# Altium PCB NIXIEClock_PCB_V3.2.PcbDoc (part 2 of 3) (continued)
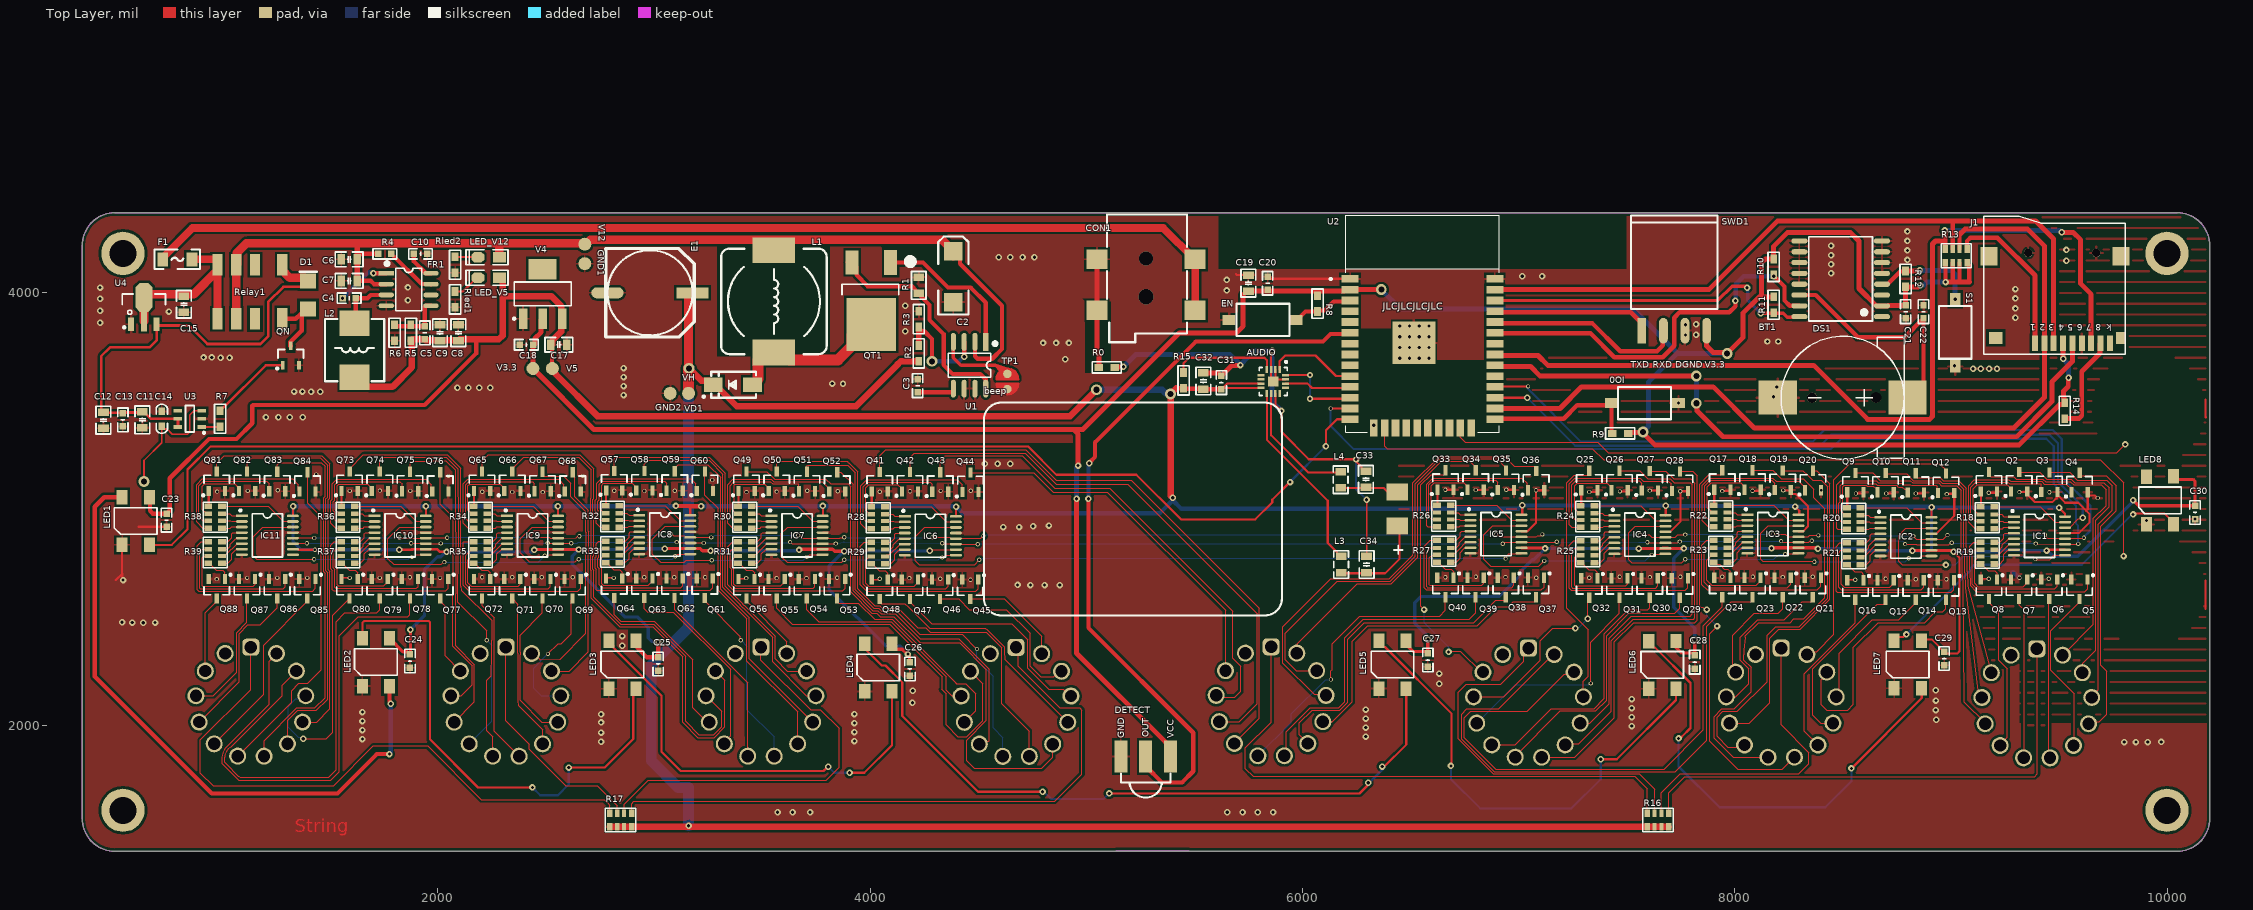
[diagram p0: Top Layer view]
## Nets (pads, with @x,y where several pads share a name; then routed paths per layer and width w, separated by ;. In a path a pad name is that pad's centre, name@x,y a point inside that pad or via, vN(x,y) a via of type N, cw(c..) or ccw(c..) an arc to the next point about the centre after c; other vN are vias at no path point) (continued)
NetQ75_1: Q75.1 R36.3 | length 555.7
  Top Layer w5: R36.3@1552.85,2946.24 1527.63,2946.24 1523,2950.88 1523,2984.15 1515.63,2991.51 1515.63,3033.26 1523,3040.62 1523,3112.73 1536.72,3126.45 1824.82,3126.45 1834.33,3116.95 Q75.1@1834.33,3081.95
NetQ76_1: Q76.1 R36.4 | length 754.1
  Top Layer w5: R36.4@1552.85,2911.6 1527.63,2911.6 1504.63,2934.6 1504.63,3037.81 1512,3045.18 1512,3117.29 1532.16,3137.45 1945.54,3137.45 1969.88,3113.12 1969.88,3084.86 Q76.1@1974.17,3080.57
NetQ77_1: Q77.1 R37.1 | length 850.7
  Top Layer w5: R37.1@1552.85,2848.99 1520.5,2848.99 1504.63,2833.13 1504.63,2722.78 1512,2715.41 1512,2626.7 1517.65,2621.05 2036.04,2621.05 2048.13,2633.13 Q77.1@2048.13,2676.05
NetQ78_1: Q78.1 R37.2 | length 635.2
  Top Layer w5: R37.2@1552.85,2814.35 1527.65,2814.35 1515.63,2802.33 1515.63,2727.33 1523,2719.97 1523,2638.63 1528.7,2632.92 1900.39,2632.92 1908.51,2641.05 Q78.1@1908.51,2676.05
NetQ79_1: Q79.1 R37.3 | length 410.4
  Top Layer w5: 1531.61,2769.5 1526.63,2764.52 1526.63,2731.89 1534,2724.52 1534,2649.63 1539.7,2643.92 1750.56,2643.92 1768.9,2662.27 Q79.1@1768.9,2676.05 ; 1531.63,2769.5 1544.98,2782.85 R37.3@1552.85,2782.85
NetQ80_1: Q80.1 R37.4 | length 123.3
  Top Layer w5: R37.4@1552.85,2748.21 1557.77,2748.21 1589.94,2716.05 1618.19,2716.05 1629.29,2704.95 Q80.1@1629.29,2676.05
NetQ81_1: Q81.1 R38.1 | length 71.7
  Top Layer w10: R38.1@938.47,3012.38 940.25,3014.17 Q81.1@940.25,3083.33
NetQ82_1: Q82.1 R38.2 | length 340.9
  Top Layer w5: R38.2@938.47,2977.74 930.59,2977.74 918.74,2989.59 916.61,2989.59 910.34,2995.86 910.34,3105.25 921.14,3116.05 1061.16,3116.05 1080.1,3097.11 Q82.1@1080.1,3083.33
NetQ83_1: Q83.1 R38.3 | length 567.9
  Top Layer w5: R38.3@938.47,2946.24 912.3,2946.24 894.82,2963.72 894.82,3107.61 915.18,3127.96 1208.93,3127.96 1219.94,3116.95 Q83.1@1219.94,3081.95
NetQ84_1: Q84.1 R38.4 | length 765.8
  Top Layer w5: R38.4@938.47,2911.6 913.25,2911.6 883.82,2941.02 883.82,3112.16 910.62,3138.96 1329.65,3138.96 1355.49,3113.12 1355.49,3084.86 Q84.1@1359.78,3080.58
NetQ85_1: Q85.1 R39.1 | length 859.2
  Top Layer w5: R39.1@938.47,2848.99 906.11,2848.99 888,2830.88 888,2626.31 894.27,2620.05 1420.66,2620.05 1433.74,2633.13 Q85.1@1433.74,2676.05
NetQ86_1: Q86.1 R39.2 | length 648.8
  Top Layer w5: R39.2@938.47,2814.35 910.18,2814.35 899,2803.17 899,2633.98 901.93,2631.05 1284.13,2631.05 1294.13,2641.05 Q86.1@1294.13,2676.05
NetQ87_1: Q87.1 R39.3 | length 435.4
  Top Layer w5: R39.3@938.47,2782.85 936.07,2780.45 916.18,2780.45 910.34,2774.61 910.34,2644.98 913.26,2642.05 1145.67,2642.05 1154.51,2650.89 Q87.1@1154.51,2676.05
NetQ88_1: Q88.1 R39.4 | length 119.4
  Top Layer w5: R39.4@943.39,2748.21 975.55,2716.05 1005.63,2716.05 1014.9,2706.77 Q88.1@1014.9,2676.05
NetQN_1: QN.1 R7.2 | length 394.4
  Top Layer w12: R7.2@993,3454 993,3458.25 1002.75,3468 1007,3468 1204,3665 QN.1@1282.6,3665 1282.6,3654.17 QN.1@1279.74,3651.31
NetQT1_1: QT1.1 U1.1 | length 699.2
  Top Layer w20: QT1.1@4094.55,4139.77 4094.55,4140.13 4244.87,4140.13 4360,4025 4465,4025 4535,3955 U1.1@4535,3773.27
NetQT1_3: QT1.3 R1.2 U1.8 | length 1069.5
  Top Layer w20: QT1.3@3896.55,4141.13 3903.87,4133.8 QT1.3@3903.87,4096.13 ; QT1.3@3916.55,4140.77 3936.55,4120.77 3936.55,4083.45 3987.94,4032.06 3987.94,4030.35 4193.15,4030.35 R1.2@4215,4008.5 ; R1.2@4225,3998.5 4225,3994.25 4275,3944.25 4275,3875 4340,3810 4340,3666.72 4381.72,3625 4510,3625 4534.31,3600.69 4534.31,3557.43 U1.8@4535,3556.73
NetR2_1: R2.1 R3.2 U1.3 | length 497.1
  Top Layer w20: R3.2@4225,3837.75 4240.31,3822.44 4250.75,3822.44 4286.34,3786.84 v3(4286.34,3683.5) ; v1@4432.29,3705 v1(4435,3705) U1.3@4435,3773.27
  Top Layer w24: R2.1@4225,3756.5 4225,3837.75 R3.2@4225,3842
  Bottom Layer w20: v3(4286.34,3683.5) 4410.79,3683.5 v1@4432.29,3705
Q0: IC1.15 R18.8 | length 357.2
  Top Layer w5: R18.8@9199.78,3009.76 9413.14,3009.76 9483.22,2939.68 IC1.15@9527.98,2939.68
Q1: IC1.1 R18.7 | length 96.1
  Top Layer w5: R18.7@9199.78,2975.11 9234.82,2975.11 9244.66,2965.27 IC1.1@9291.76,2965.27
Q2: IC1.2 R18.6 | length 93.6
  Top Layer w5: R18.6@9199.78,2943.62 9240.72,2943.62 9244.66,2939.68 IC1.2@9291.76,2939.68
Q3: IC1.3 R18.5 | length 94.7
  Top Layer w5: R18.5@9199.78,2908.97 9238.8,2908.97 9244.66,2914.83 9291.02,2914.83 IC1.3@9291.76,2914.09
Q4: IC1.4 R19.8 | length 119.7
  Top Layer w5: R19.8@9199.78,2846.37 9226.02,2846.37 9244.63,2864.98 9244.63,2882.57 9250.57,2888.5 IC1.4@9291.76,2888.5
Q5: IC1.5 R19.7 | length 118.5
  Top Layer w5: R19.7@9199.78,2811.73 9224.99,2811.73 9238.65,2825.38 9238.65,2834.46 9264.13,2859.93 9265.29,2859.93 9268.27,2862.91 IC1.5@9291.76,2862.91
Q6: IC1.6 R19.6 | length 115.6
  Top Layer w5: R19.6@9199.78,2780.23 9207.12,2787.57 9220.36,2787.57 9270.11,2837.32 IC1.6@9291.76,2837.32
Q7: IC1.7 R19.5 | length 134.2
  Top Layer w5: R19.5@9199.78,2745.58 9225.62,2745.58 9244.66,2764.62 9244.66,2789.84 9263.85,2809.03 9265.57,2809.03 9268.27,2811.73 IC1.7@9291.76,2811.73
Q8: IC2.15 R20.8 | length 357.2
  Top Layer w5: R20.8@8581.97,3006.34 8795.33,3006.34 8865.41,2936.26 IC2.15@8910.17,2936.26
Q9: IC2.1 R20.7 | length 96.1
  Top Layer w5: R20.7@8581.97,2971.69 8617.01,2971.69 8626.85,2961.85 IC2.1@8673.95,2961.85
Q10: IC2.2 R20.6 | length 93.6
  Top Layer w5: R20.6@8581.97,2940.2 8622.91,2940.2 8626.85,2936.26 IC2.2@8673.95,2936.26
Q11: IC2.3 R20.5 | length 94.7
  Top Layer w5: R20.5@8581.97,2905.55 8620.99,2905.55 8626.85,2911.41 8673.21,2911.41 IC2.3@8673.95,2910.67
Q12: IC2.4 R21.8 | length 119.7
  Top Layer w5: R21.8@8581.97,2842.95 8608.21,2842.95 8626.82,2861.56 8626.82,2879.14 8632.76,2885.08 IC2.4@8673.95,2885.08
Q13: IC2.5 R21.7 | length 118.5
  Top Layer w5: R21.7@8581.97,2808.3 8607.18,2808.3 8620.84,2821.96 8620.84,2831.04 8646.32,2856.51 8647.48,2856.51 8650.46,2859.49 IC2.5@8673.95,2859.49
Q14: IC2.6 R21.6 | length 115.6
  Top Layer w5: R21.6@8581.97,2776.81 8589.31,2784.15 8602.56,2784.15 8652.3,2833.89 IC2.6@8673.95,2833.89
Q15: IC2.7 R21.5 | length 134.2
  Top Layer w5: R21.5@8581.97,2742.16 8607.81,2742.16 8626.85,2761.2 8626.85,2786.42 8646.04,2805.61 8647.76,2805.61 8650.46,2808.3 IC2.7@8673.95,2808.3
Q16: IC3.15 R22.8 | length 357.2
  Top Layer w5: R22.8@7966.32,3018.42 8179.69,3018.42 8249.77,2948.34 IC3.15@8294.53,2948.34
Q17: IC3.1 R22.7 | length 96.1
  Top Layer w5: R22.7@7966.32,2983.78 8001.36,2983.78 8011.2,2973.93 IC3.1@8058.31,2973.93
Q18: IC3.2 R22.6 | length 93.6
  Top Layer w5: R22.6@7966.32,2952.28 8007.27,2952.28 8011.2,2948.34 IC3.2@8058.31,2948.34
Q19: IC3.3 R22.5 | length 94.7
  Top Layer w5: R22.5@7966.32,2917.63 8005.35,2917.63 8011.2,2923.49 8057.57,2923.49 IC3.3@8058.31,2922.75
Q20: IC3.4 R23.8 | length 119.7
  Top Layer w5: R23.8@7966.32,2855.03 7992.57,2855.03 8011.18,2873.64 8011.18,2891.23 8017.11,2897.16 IC3.4@8058.31,2897.16
Q21: IC3.5 R23.7 | length 118.5
  Top Layer w5: R23.7@7966.32,2820.39 7991.54,2820.39 8005.2,2834.05 8005.2,2843.12 8030.67,2868.59 8031.84,2868.59 8034.81,2871.57 IC3.5@8058.31,2871.57
Q22: IC3.6 R23.6 | length 115.6
  Top Layer w5: R23.6@7966.32,2788.89 7973.66,2796.23 7986.91,2796.23 8036.65,2845.98 IC3.6@8058.31,2845.98
Q23: IC3.7 R23.5 | length 134.2
  Top Layer w5: R23.5@7966.32,2754.24 7992.17,2754.25 8011.2,2773.28 8011.2,2798.5 8030.39,2817.69 8032.11,2817.69 8034.81,2820.39 IC3.7@8058.31,2820.39
Q24: IC4.15 R24.8 | length 357.2
  Top Layer w5: R24.8@7351.07,3015.66 7564.43,3015.66 7634.51,2945.58 IC4.15@7679.27,2945.58
Q25: IC4.1 R24.7 | length 96.1
  Top Layer w5: R24.7@7351.07,2981.02 7386.11,2981.02 7395.95,2971.17 IC4.1@7443.05,2971.17
Q26: IC4.2 R24.6 | length 93.6
  Top Layer w5: R24.6@7351.07,2949.52 7392.01,2949.52 7395.95,2945.58 IC4.2@7443.05,2945.58
Q27: IC4.3 R24.5 | length 94.7
  Top Layer w5: R24.5@7351.07,2914.88 7390.09,2914.88 7395.95,2920.73 7442.31,2920.73 IC4.3@7443.05,2919.99
Q28: IC4.4 R25.8 | length 119.7
  Top Layer w5: R25.8@7351.07,2852.27 7377.31,2852.27 7395.92,2870.88 7395.92,2888.47 7401.86,2894.4 IC4.4@7443.05,2894.4
Q29: IC4.5 R25.7 | length 118.5
  Top Layer w5: R25.7@7351.07,2817.63 7376.28,2817.63 7389.94,2831.29 7389.94,2840.36 7415.42,2865.84 7416.58,2865.84 7419.56,2868.81 IC4.5@7443.05,2868.81
Q30: IC4.6 R25.6 | length 115.6
  Top Layer w5: R25.6@7351.07,2786.13 7358.41,2793.48 7371.65,2793.48 7421.4,2843.22 IC4.6@7443.05,2843.22
Q31: IC4.7 R25.5 | length 134.2
  Top Layer w5: R25.5@7351.07,2751.49 7376.91,2751.49 7395.95,2770.53 7395.95,2795.74 7415.14,2814.93 7416.86,2814.93 7419.56,2817.63 IC4.7@7443.05,2817.63
Q32: IC5.15 R26.8 | length 357.2
  Top Layer w5: R26.8@6685.49,3018.18 6898.85,3018.18 6968.93,2948.1 IC5.15@7013.69,2948.1
Q33: IC5.1 R26.7 | length 96.1
  Top Layer w5: R26.7@6685.49,2983.53 6720.53,2983.53 6730.37,2973.69 IC5.1@6777.47,2973.69
Q34: IC5.2 R26.6 | length 93.6
  Top Layer w5: R26.6@6685.49,2952.04 6726.43,2952.04 6730.37,2948.1 IC5.2@6777.47,2948.1
Q35: IC5.3 R26.5 | length 94.7
  Top Layer w5: R26.5@6685.49,2917.39 6724.51,2917.39 6730.37,2923.25 6776.73,2923.25 IC5.3@6777.47,2922.51
Q36: IC5.4 R27.8 | length 119.7
  Top Layer w5: R27.8@6685.49,2854.79 6711.73,2854.79 6730.34,2873.4 6730.34,2890.98 6736.27,2896.92 IC5.4@6777.47,2896.92
Q37: IC5.5 R27.7 | length 118.5
  Top Layer w5: R27.7@6685.49,2820.14 6710.7,2820.14 6724.36,2833.8 6724.36,2842.88 6749.84,2868.35 6751,2868.35 6753.98,2871.33 IC5.5@6777.47,2871.32
Q38: IC5.6 R27.6 | length 115.6
  Top Layer w5: R27.6@6685.49,2788.65 6692.83,2795.99 6706.07,2795.99 6724.51,2814.43 6755.82,2845.73 IC5.6@6777.47,2845.73
Q39: IC5.7 R27.5 | length 134.2
  Top Layer w5: R27.5@6685.49,2754 6711.33,2754 6730.37,2773.04 6730.37,2798.26 6749.56,2817.45 6751.28,2817.45 6753.98,2820.14 IC5.7@6777.47,2820.14
Q40: IC6.15 R28.8 | length 357.2
  Top Layer w5: R28.8@4068.47,3010.25 4281.84,3010.25 4351.92,2940.17 IC6.15@4396.68,2940.17
Q41: IC6.1 R28.7 | length 96.1
  Top Layer w5: R28.7@4068.47,2975.61 4103.51,2975.61 4113.36,2965.76 IC6.1@4160.46,2965.76
Q42: IC6.2 R28.6 | length 93.6
  Top Layer w5: R28.6@4068.47,2944.11 4109.42,2944.11 4113.36,2940.17 IC6.2@4160.46,2940.17
Q43: IC6.3 R28.5 | length 94.7
  Top Layer w5: R28.5@4068.47,2909.47 4107.5,2909.47 4113.36,2915.32 4159.72,2915.32 IC6.3@4160.46,2914.58
Q44: IC6.4 R29.8 | length 119.7
  Top Layer w5: R29.8@4068.47,2846.86 4094.72,2846.86 4113.33,2865.47 4113.33,2883.06 4119.26,2888.99 IC6.4@4160.46,2888.99
Q45: IC6.5 R29.7 | length 118.5
  Top Layer w5: R29.7@4068.47,2812.22 4093.69,2812.22 4107.35,2825.88 4107.35,2834.95 4132.82,2860.43 4133.99,2860.43 4136.96,2863.4 IC6.5@4160.46,2863.4
Q46: IC6.6 R29.6 | length 115.6
  Top Layer w5: R29.6@4068.47,2780.72 4075.82,2788.06 4089.06,2788.06 4138.81,2837.81 IC6.6@4160.46,2837.81
Q47: IC6.7 R29.5 | length 134.2
  Top Layer w5: R29.5@4068.47,2746.08 4094.32,2746.08 4113.36,2765.12 4113.36,2790.33 4132.55,2809.52 4134.27,2809.52 4136.96,2812.22 IC6.7@4160.46,2812.22
Q48: IC7.15 R30.8 | length 357.2
  Top Layer w5: R30.8@3452.05,3012.39 3665.41,3012.39 3735.49,2942.31 IC7.15@3780.26,2942.3
Q49: IC7.1 R30.7 | length 96.1
  Top Layer w5: R30.7@3452.05,2977.74 3487.09,2977.74 3496.93,2967.9 IC7.1@3544.04,2967.89
Q50: IC7.2 R30.6 | length 93.6
  Top Layer w5: R30.6@3452.05,2946.24 3493,2946.24 3496.93,2942.31 IC7.2@3544.04,2942.3
Q51: IC7.3 R30.5 | length 94.7
  Top Layer w5: R30.5@3452.05,2911.6 3491.07,2911.6 3496.93,2917.46 3543.29,2917.46 IC7.3@3544.04,2916.71
Q52: IC7.4 R31.8 | length 119.7
  Top Layer w5: R31.8@3452.05,2849 3478.3,2849 3496.91,2867.6 3496.91,2885.19 3502.84,2891.12 IC7.4@3544.04,2891.12
Q53: IC7.5 R31.7 | length 113.2
  Top Layer w5: R31.7@3452.05,2814.35 3458.06,2820.36 3474.2,2820.36 3491.31,2837.48 3516.4,2862.56 3517.56,2862.56 3520.54,2865.53 IC7.5@3544.04,2865.53
Q54: IC7.6 R31.6 | length 115.6
  Top Layer w5: R31.6@3452.05,2782.85 3459.39,2790.2 3472.64,2790.2 3522.38,2839.94 IC7.6@3544.04,2839.94
Q55: IC7.7 R31.5 | length 134.2
  Top Layer w5: R31.5@3452.05,2748.21 3477.89,2748.21 3496.93,2767.25 3496.93,2792.47 3516.12,2811.65 3517.84,2811.65 3520.54,2814.35 IC7.7@3544.04,2814.35
Q56: IC8.15 R32.8 | length 357.2
  Top Layer w5: R32.8@2839.95,3015.31 3053.31,3015.31 3123.39,2945.23 IC8.15@3168.16,2945.23
Q57: IC8.1 R32.7 | length 96.1
  Top Layer w5: R32.7@2839.95,2980.67 2874.99,2980.67 2884.83,2970.82 IC8.1@2931.94,2970.82
Q58: IC8.2 R32.6 | length 93.6
  Top Layer w5: R32.6@2839.95,2949.17 2880.9,2949.17 2884.83,2945.23 IC8.2@2931.94,2945.23
Q59: IC8.3 R32.5 | length 94.7
  Top Layer w5: R32.5@2839.95,2914.53 2878.97,2914.53 2884.83,2920.38 2931.19,2920.38 IC8.3@2931.94,2919.64
Q60: IC8.4 R33.8 | length 119.7
  Top Layer w5: R33.8@2839.95,2851.92 2866.2,2851.92 2884.81,2870.53 2884.81,2888.12 2890.74,2894.05 IC8.4@2931.94,2894.05
Q61: IC8.5 R33.7 | length 118.5
  Top Layer w5: R33.7@2839.95,2817.28 2865.17,2817.28 2878.83,2830.94 2878.83,2840.01 2904.3,2865.49 2905.46,2865.49 2908.44,2868.46 IC8.5@2931.94,2868.46
Q62: IC8.6 R33.6 | length 115.6
  Top Layer w5: R33.6@2839.95,2785.78 2847.29,2793.12 2860.54,2793.12 2910.28,2842.87 IC8.6@2931.94,2842.87
Q63: IC8.7 R33.5 | length 134.2
  Top Layer w5: R33.5@2839.95,2751.14 2865.79,2751.14 2884.83,2770.18 2884.83,2795.39 2904.02,2814.58 2905.74,2814.58 2908.44,2817.28 IC8.7@2931.94,2817.28
Q64: IC9.15 R34.8 | length 357.2
  Top Layer w5: R34.8@2228.63,3012.38 2442,3012.38 2512.08,2942.3 IC9.15@2556.84,2942.3
Q65: IC9.1 R34.7 | length 96.1
  Top Layer w5: R34.7@2228.63,2977.74 2263.67,2977.74 2273.52,2967.89 IC9.1@2320.62,2967.89
Q66: IC9.2 R34.6 | length 93.6
  Top Layer w5: R34.6@2228.63,2946.24 2269.58,2946.24 2273.52,2942.3 IC9.2@2320.62,2942.3
Q67: IC9.3 R34.5 | length 94.7
  Top Layer w5: R34.5@2228.63,2911.6 2267.66,2911.6 2273.52,2917.45 2319.88,2917.45 IC9.3@2320.62,2916.71
Q68: IC9.4 R35.8 | length 119.7
  Top Layer w5: R35.8@2228.63,2848.99 2254.88,2848.99 2273.49,2867.6 2273.49,2885.19 2279.42,2891.12 IC9.4@2320.62,2891.12
Q69: IC9.5 R35.7 | length 118.5
  Top Layer w5: R35.7@2228.63,2814.35 2253.85,2814.35 2267.51,2828.01 2267.51,2837.08 2292.98,2862.56 2294.15,2862.56 2297.12,2865.53 IC9.5@2320.62,2865.53
Q70: IC9.6 R35.6 | length 115.6
  Top Layer w5: R35.6@2228.63,2782.85 2235.98,2790.19 2249.22,2790.19 2298.97,2839.94 IC9.6@2320.62,2839.94
Q71: IC9.7 R35.5 | length 134.2
  Top Layer w5: R35.5@2228.63,2748.21 2254.48,2748.21 2273.52,2767.25 2273.52,2792.46 2292.71,2811.65 2294.43,2811.65 2297.12,2814.35 IC9.7@2320.62,2814.35
Q72: IC10.15 R36.8 | length 357.2
  Top Layer w5: R36.8@1615.84,3012.38 1829.21,3012.38 1899.29,2942.3 IC10.15@1944.05,2942.3
Q73: IC10.1 R36.7 | length 96.1
  Top Layer w5: R36.7@1615.84,2977.74 1650.88,2977.74 1660.73,2967.89 IC10.1@1707.83,2967.89
Q74: IC10.2 R36.6 | length 93.6
  Top Layer w5: R36.6@1615.84,2946.24 1656.79,2946.24 1660.73,2942.3 IC10.2@1707.83,2942.3
Q75: IC10.3 R36.5 | length 94.7
  Top Layer w5: R36.5@1615.84,2911.6 1654.87,2911.6 1660.73,2917.45 1707.09,2917.45 IC10.3@1707.83,2916.71
Q76: IC10.4 R37.8 | length 119.7
  Top Layer w5: R37.8@1615.84,2848.99 1642.09,2848.99 1660.7,2867.6 1660.7,2885.19 1666.63,2891.12 IC10.4@1707.83,2891.12
Q77: IC10.5 R37.7 | length 118.5
  Top Layer w5: R37.7@1615.84,2814.35 1641.06,2814.35 1654.72,2828.01 1654.72,2837.08 1680.19,2862.56 1681.36,2862.56 1684.33,2865.53 IC10.5@1707.83,2865.53
Q78: IC10.6 R37.6 | length 115.6
  Top Layer w5: R37.6@1615.84,2782.85 1623.19,2790.19 1636.43,2790.19 1686.18,2839.94 IC10.6@1707.83,2839.94
Q79: IC10.7 R37.5 | length 134.2
  Top Layer w5: R37.5@1615.84,2748.21 1641.69,2748.21 1660.73,2767.25 1660.73,2792.46 1679.92,2811.65 1681.64,2811.65 1684.33,2814.35 IC10.7@1707.83,2814.35
Q80: IC11.15 R38.8 | length 357.2
  Top Layer w5: R38.8@1001.46,3012.38 1214.82,3012.38 1284.9,2942.3 IC11.15@1329.66,2942.3
Q81: IC11.1 R38.7 | length 96.1
  Top Layer w5: R38.7@1001.46,2977.74 1036.5,2977.74 1046.34,2967.89 IC11.1@1093.44,2967.89
Q82: IC11.2 R38.6 | length 93.6
  Top Layer w5: R38.6@1001.46,2946.24 1042.4,2946.24 1046.34,2942.3 IC11.2@1093.44,2942.3
Q83: IC11.3 R38.5 | length 94.7
  Top Layer w5: R38.5@1001.46,2911.6 1040.48,2911.6 1046.34,2917.45 1092.7,2917.45 IC11.3@1093.44,2916.71
Q84: IC11.4 R39.8 | length 119.7
  Top Layer w5: R39.8@1001.46,2848.99 1027.7,2848.99 1046.31,2867.6 1046.31,2885.19 1052.25,2891.12 IC11.4@1093.44,2891.12
Q85: IC11.5 R39.7 | length 118.5
  Top Layer w5: R39.7@1001.46,2814.35 1026.67,2814.35 1040.33,2828.01 1040.33,2837.08 1065.81,2862.56 1066.97,2862.56 1069.95,2865.53 IC11.5@1093.44,2865.53
Q86: IC11.6 R39.6 | length 115.6
  Top Layer w5: R39.6@1001.46,2782.85 1008.8,2790.19 1022.04,2790.19 1071.79,2839.94 IC11.6@1093.44,2839.94
Q87: IC11.7 R39.5 | length 134.2
  Top Layer w5: R39.5@1001.46,2748.21 1027.3,2748.21 1046.34,2767.25 1046.34,2792.46 1065.53,2811.65 1067.25,2811.65 1069.95,2814.35 IC11.7@1093.44,2814.35
Q_0: N1.13 Q1.3 | length 1428.6
  Top Layer w5: Q1.3@9175.98,3170.71 9175.98,3156.93 9183.32,3149.58 9291.46,3149.58 9302.46,3138.58 9425.36,3138.58 9437.74,3126.21 9473.58,3126.21 9552.49,3126.22 9567.31,3111.41 9695.21,3111.41 9717.62,3089 9717.62,3014.48 9714.69,3011.55 9714.06,3011.55 9659.6,2957.09 9659.6,2467.27 N1.13@9518.92,2326.59
Q_1: N1.12 Q2.3 | length 1354.8
  Top Layer w5: Q2.3@9315.82,3170.71 9410.21,3170.71 9426.26,3154.66 9426.26,3153.25 9442.3,3137.21 9469.03,3137.21 9557.05,3137.22 9571.86,3122.41 9708.11,3122.41 9732.74,3097.77 9732.74,3009.64 9670.6,2947.5 9670.6,2347.64 9609.54,2286.58 9609.54,2244.13 N1.12@9608.05,2242.64
Q_2: N1.11 Q3.3 | length 1332
  Top Layer w5: Q3.3@9455.66,3169.33 9549.08,3169.33 9567.89,3150.51 9567.89,3149.1 9583.58,3133.41 9720.02,3133.41 9746.6,3106.83 9746.6,2994.25 9681.6,2929.26 9681.6,2164.28 9654.04,2136.71 N1.11@9654.04,2130.85
Q_3: N1.10 Q4.3 | length 1393.6
  Top Layer w5: Q4.3@9595.51,3167.95 9595.51,3160.88 9602.85,3153.54 9717.62,3153.54 9764.16,3106.99 9764.16,2992.63 9692.6,2921.07 9692.6,2277.62 9694.58,2275.64 9696.04,2274.18 9720,2250.22 9720,2050 9686.14,2016.14 9646.17,2016.14 N1.10@9639.27,2009.24
Q_4: N1.9 Q5.3 | length 774.1
  Top Layer w5: N1.9@9569.69,1908.44 9569.69,2145.96 9462.57,2253.08 9462.57,2437.55 9594.66,2569.64 Q5.3@9594.66,2583.42
Q_5: N1.8 Q6.3 | length 737.3
  Top Layer w5: Q6.3@9455.05,2583.42 9451.57,2579.94 9451.57,1861.19 N1.8@9461.23,1851.53
Q_6: N1.7 Q7.3 | length 741.5
  Top Layer w5: Q7.3@9315.43,2583.42 9316.94,2581.92 9316.94,2555.23 9338.75,2533.42 N1.7@9338.75,1851.53
Q_7: N1.6 Q8.3 | length 721.9
  Top Layer w5: Q8.3@9175.82,2583.42 9175.82,2569.64 9221.46,2524 9221.46,2300.36 9259.77,2262.06 9259.77,1945.27 9230.3,1915.8 N1.6@9230.3,1908.46
Q_8: N1.5 Q9.3 | length 1643.1
  Top Layer w5: Q9.3@8558.17,3167.29 8637.92,3167.29 8673.8,3131.41 8811.31,3131.41 8822.31,3120.41 8943.01,3120.41 8955.33,3108.09 9027.03,3108.09 9048.72,3086.39 9048.72,2815.46 9053.54,2783.61 9053.6,2783.4 9053.6,2701.7 9053.67,2647.6 9060.51,2109.47 N1.5@9160.72,2009.26
Q_9: N1.4 Q10.3 | length 1369
  Top Layer w5: Q10.3@8698.01,3167.29 8701.76,3163.54 8794.74,3163.54 8826.87,3131.41 8947.57,3131.41 8959.89,3119.09 9031.58,3119.09 9059.72,3090.95 9059.72,2820.02 9064.54,2788.17 9064.6,2787.96 9064.6,2706.26 9066.57,2640.64 9066.7,2637.43 9125.36,2141.81 9127.09,2140.07 N1.4@9143.4,2128.11
Q_10: N1.3 Q11.3 | length 1138
  Top Layer w5: Q11.3@8837.85,3165.91 8837.85,3152.13 8845.2,3144.78 8949.75,3144.78 8964.44,3130.09 9036.14,3130.09 9070.72,3095.5 9070.72,2824.57 9075.54,2792.72 9075.6,2792.52 9075.6,2710.81 9077.57,2642.12 N1.3@9186.84,2242.64
Q_11: N2.13 Q12.3 | length 1456.1
  Top Layer w5: N2.13@8333.92,2326.74 8348.03,2340.85 8378.81,2340.85 8458,2420.04 8458,3136.31 8531.69,3210 8946.01,3210 8977.7,3178.31 Q12.3@8977.7,3164.53
Q_12: N2.12 Q13.3 | length 1138.8
  Top Layer w5: N2.12@8425.6,2245.52 8425.6,2235.68 8399.45,2209.53 8399.45,2095.51 8424.96,2070 8521.91,2070 8548.17,2096.25 8548.17,2359.46 8663.7,2475 8879.29,2475 8928.29,2524 8962.83,2524 8976.85,2538.02 Q13.3@8976.85,2580
Q_13: N2.11 Q14.3 | length 672.3
  Top Layer w5: N2.11@8469.04,2130.99 8483.15,2145.1 8483.15,2170.16 8483.78,2170.79 8483.78,2333.54 8636.95,2486.71 8757.73,2486.71 8837.24,2566.22 Q14.3@8837.24,2580
Q_14: N2.10 Q15.3 | length 800.3
  Top Layer w5: N2.10@8454.27,2009.38 8396.98,2009.39 8361.21,2045.16 8361.21,2260.89 8659.19,2558.88 8690.28,2558.88 8697.62,2566.22 Q15.3@8697.62,2580
Q_15: N2.9 Q16.3 | length 796.5
  Top Layer w5: N2.9@8384.69,1908.59 8320.36,1972.92 8320.36,2236.94 8558.01,2474.59 Q16.3@8558.01,2580
Q_16: N2.8 Q17.3 | length 1856.5
  Top Layer w5: v1(7870.59,2534.8) 7863.83,2534.8 7851.97,2546.65 7843.13,2546.65 7837,2552.78 7837,3115.51 7879.74,3158.25 7935.18,3158.25 7942.52,3165.59 Q17.3@7942.52,3179.37 ; v1(7918,2458.56) 7883.25,2423.81 7883.25,1926.47 8014,1795.72 8220.28,1795.72 N2.8@8276.23,1851.67
  Bottom Layer w5: v1(7870.59,2534.8) 7870.59,2505.97 v1(7918,2458.56)
Q_17: N2.7 Q18.3 | length 2160
  Top Layer w5: 8042.33,2326.7 8042.33,2301.22 8076.21,2267.33 8076.21,2154.86 7996.65,2075.31 7940.98,2075.31 7904.96,2039.29 7904.96,1939.28 7992.57,1851.67 N2.7@8153.75,1851.67 ; 8042.33,2326.73 cw(c8508.65,2326.75) 8049.22,2406.61 8049.22,2413.65 8110.56,2475 8256.14,2475 8273.53,2492.4 8318.68,2492.4 8415.95,2589.67 8415.95,2653.94 8416.95,2654.94 8416.95,2709.23 8415.95,2710.23 8415.95,3002.15 8365,3053.1 8365,3091.74 8317.42,3139.33 8215.38,3139.33 8175.34,3179.37 Q18.3@8082.36,3179.37
Q_18: N2.6 Q19.3 | length 1861.2
  Top Layer w5: N2.6@8045.3,1908.6 8033.91,1897.21 7972.84,1897.21 7972.77,1897.14 7968.62,1897.14 7917.91,1947.85 7917.91,2036.68 7945.54,2064.31 8012.24,2064.31 8150,2202.06 8150,2416.28 8189.29,2455.58 8297.86,2455.58 8429.12,2586.83 8429.12,3102.43 8399.06,3132.49 8359.71,3132.49 8334.44,3157.76 8334.44,3159.18 8315.62,3177.99 Q19.3@8222.21,3177.99
Q_19: N2.5 Q20.3 | length 1514.1
  Top Layer w5: N2.5@7975.72,2009.4 8066.77,2009.4 8161.21,2103.85 8161.21,2403.15 8202.64,2444.58 8302.86,2444.58 8440.12,2581.83 8440.12,3115.88 8379.39,3176.61 Q20.3@8362.05,3176.61
Q_20: N2.4 Q21.3 | length 780.1
  Top Layer w5: N2.4@7960.96,2130.99 7961.74,2131.77 8004.9,2131.77 8064.42,2191.28 8064.42,2261.41 8026.03,2299.8 8026.03,2407.29 8105.45,2486.71 8228.58,2486.71 8312.83,2570.96 8353.86,2570.96 8361.21,2578.3 Q21.3@8361.21,2592.08
Q_21: N2.3 Q22.3 | length 512.8
  Top Layer w5: N2.3@8004.4,2245.52 7990.29,2259.63 7990.29,2284.79 7989.76,2285.31 7989.76,2415.7 8090.81,2516.75 8200.32,2516.75 8221.59,2538.02 Q22.3@8221.59,2592.08
Q_22: N3.13 Q23.3 | length 2711.7
  Top Layer w5: N3.13@7158.92,2326.88 6907.35,2075.31 6761.05,2075.31 6736.27,2050.53 6736.27,1935.76 6886.72,1785.31 7725.73,1785.31 7870.59,1930.17 7870.59,2458.58 7982.98,2570.96 8074.63,2570.96 8081.98,2578.3 Q23.3@8081.98,2592.08
Q_23: N3.12 Q24.3 | length 2579.9
  Top Layer w5: N3.12@7256.17,2245.66 7247.22,2236.7 7212.23,2236.7 7039.83,2064.31 6777.78,2064.31 6748.72,2035.25 6748.72,1941.92 6894.34,1796.31 7673.11,1796.31 7854.78,1977.98 7854.78,2460.75 7942.36,2548.33 Q24.3@7942.36,2592.08
Q_24: N3.11 Q25.3 | length 1175.7
  Top Layer w5: N3.11@7299.61,2131.13 7299.61,2202.58 7322.87,2225.84 7322.87,2441.88 7223.34,2541.41 7223.34,3120.9 7257.92,3155.49 7319.92,3155.49 7327.27,3162.83 Q25.3@7327.27,3176.61
Q_25: N3.10 Q26.3 | length 1873
  Top Layer w5: N3.10@7279.27,2009.53 7329.47,2009.53 7418.72,2098.78 7418.72,2402.26 7520.34,2503.87 7793.19,2503.87 7804,2514.68 7804,3112.44 7794.59,3121.84 7719.74,3121.84 7702.25,3139.33 7597.37,3139.33 7560.09,3176.61 Q26.3@7467.11,3176.61
Q_26: N3.9 Q27.3 | length 1888.2
  Top Layer w5: N3.9@7214.46,1913.5 7279.36,1913.5 7429.72,2063.87 7429.72,2391.47 7529.32,2491.06 7809.47,2491.06 7815,2496.59 7815,3119.92 7795.59,3139.33 7717.81,3139.33 7681.9,3175.23 Q27.3@7606.95,3175.23
Q_27: N3.8 Q28.3 | length 1948.2
  Top Layer w5: N3.8@7101.23,1851.81 7259.54,1851.81 7443.05,2035.33 7443.05,2385.49 7532.56,2475 7814.89,2475 7826,2486.11 7826,3154.53 7806.67,3173.86 Q28.3@7746.8,3173.86
Q_28: N3.7 Q29.3 | length 1275.7
  Top Layer w5: N3.7@6978.75,1851.82 7192.77,2065.84 7357.27,2065.84 7407.72,2116.29 7407.72,2414.3 7510.17,2516.75 7721.95,2516.75 7745.95,2540.75 Q29.3@7745.95,2589.33
Q_29: N3.6 Q30.3 | length 1219.9
  Top Layer w5: N3.6@6870.3,1908.74 6983.98,1908.74 7152.08,2076.84 7349.33,2076.84 7396.72,2124.23 7396.72,2423.8 7507.72,2534.8 7596.91,2534.8 7606.34,2544.23 Q30.3@7606.34,2589.33
Q_30: N3.5 Q31.3 | length 1054.9
  Top Layer w5: v2(7333.87,2192.96) 7333.87,2383.89 7466.72,2516.75 Q31.3@7466.72,2589.33
  Bottom Layer w5: N3.5@6806.29,2009.54 6983.85,2187.1 7324.04,2187.1 7329.89,2192.96 v2(7333.87,2192.96)